# KiCad board haptic display 8x8 aisler.kicad_pcb (continued)
## Routing (per net, layer and track width the routed paths; a pad name or vN(x,y) marks a point on that pad's centre or on a via; arc(x,y) is an arc through that point) (continued)
51.19,66.73 51.4,66.57 51.58,66.4 51.74,66.2 51.88,65.98 51.99,65.75 52.07,65.51 52.12,65.26 52.14,65 52.13,64.74 52.08,64.49 52.01,64.24 51.91,64 51.78,63.77 51.62,63.56 51.44,63.37 51.24,63.21 51.01,63.07 50.78,62.96 50.52,62.87 50.26,62.82 50,62.8 49.75,62.81 49.51,62.85 49.27,62.91 49.04,63 48.82,63.12 48.61,63.26 48.42,63.42 48.25,63.61 48.1,63.81 47.98,64.03 47.88,64.26 47.8,64.5 47.76,64.75 47.74,65 47.75,65.25 47.79,65.51 47.85,65.75 47.95,65.99 48.07,66.22 48.21,66.43 48.38,66.62 48.57,66.8 48.77,66.95 49,67.08 49.24,67.18 49.48,67.26 49.74,67.31 50,67.33 50.26,67.31 50.52,67.28 50.77,67.21 51.02,67.11 51.25,66.99 51.47,66.84 51.67,66.67 51.85,66.47 52,66.26 52.13,66.03 52.24,65.78 52.32,65.53 52.37,65.27 52.39,65 52.38,64.73 52.34,64.47 52.27,64.21 52.17,63.96 52.04,63.72 51.89,63.49 51.71,63.29 51.51,63.11 51.29,62.94 51.06,62.81 50.8,62.7 50.54,62.62 50.27,62.57 50,62.55 49.74,62.56 49.49,62.6 49.24,62.66 49,62.75 48.76,62.86 48.55,63 48.34,63.16 48.15,63.34 47.99,63.54 47.84,63.75 47.72,63.98 47.62,64.23 47.55,64.48 47.51,64.74 47.49,65 47.5,65.26 47.53,65.52 47.6,65.78 47.69,66.03 47.81,66.27 47.95,66.49 48.11,66.7 48.3,66.89 48.5,67.06 48.72,67.21 48.96,67.34 49.21,67.44 49.47,67.51 49.73,67.56 50,67.58 50.27,67.57 50.54,67.53 50.8,67.46 51.05,67.37 51.3,67.25 51.53,67.1 51.74,66.94 51.94,66.75 52.11,66.54 52.27,66.31 52.39,66.07 52.5,65.81 52.57,65.55 52.62,65.28 52.64,65 52.63,64.72 52.59,64.45 52.52,64.18 52.42,63.92 52.3,63.67 52.15,63.44 51.98,63.22 51.79,63.02 51.57,62.84 51.34,62.68 51.09,62.55 50.83,62.44 50.56,62.37 50.28,62.32 50,62.3 49.73,62.31 49.47,62.34 49.21,62.41 48.96,62.49 48.72,62.6 48.49,62.74 48.27,62.89 48.07,63.07 47.89,63.26 47.72,63.48 47.58,63.71 47.46,63.95 47.37,64.2 47.3,64.46 47.25,64.73 47.24,65 47.25,65.27 47.28,65.54 47.35,65.81 47.43,66.06 47.55,66.31 47.68,66.55 47.84,66.77 48.02,66.98 48.23,67.16 48.44,67.33 48.68,67.47 48.92,67.6 49.18,67.69 49.45,67.76 49.72,67.81 50,67.83 50.28,67.82 50.55,67.78 50.82,67.71 51.09,67.62 51.34,67.51 51.58,67.37 51.81,67.2 52.02,67.02 52.21,66.81 52.38,66.59 52.53,66.35 52.65,66.1 52.75,65.83 52.82,65.56 52.87,65.28 52.89,65 52.88,64.72 52.84,64.44 52.77,64.16 52.68,63.89 52.56,63.63 52.42,63.38 52.25,63.15 52.06,62.94 51.85,62.74 51.63,62.57 51.38,62.42 51.12,62.29 50.85,62.19 50.57,62.11 50.29,62.07 50,62.05 49.73,62.06 49.46,62.09 49.19,62.15 48.93,62.24 48.68,62.34 48.44,62.47 48.21,62.63 47.99,62.8 47.8,62.99 47.62,63.2 47.46,63.43 47.32,63.67 47.2,63.92 47.11,64.18 47.05,64.45 47,64.72 46.99,65 47,65.28 47.03,65.55 47.09,65.83 47.18,66.09 47.29,66.35 47.42,66.6 47.58,66.83 47.75,67.05 47.95,67.25 48.16,67.43 48.39,67.6 48.64,67.74 48.89,67.85 49.16,67.95 49.44,68.02 49.72,68.06 50,68.08 50.28,68.07 50.57,68.03 50.84,67.97 51.12,67.88 51.38,67.77 51.63,67.63 51.87,67.47 52.09,67.29 52.3,67.09 52.48,66.88 52.65,66.64 52.79,66.39 52.91,66.13 53.01,65.86 53.08,65.58 53.12,65.29 53.14,65 53.13,64.71 53.09,64.42 53.03,64.14 52.94,63.86 52.83,63.59 52.69,63.34 52.52,63.09 52.34,62.87 52.14,62.66 51.91,62.47 51.67,62.3 51.42,62.15 51.15,62.03 50.87,61.93 50.59,61.86 50.29,61.82 50,61.8 49.72,61.81 49.44,61.84 49.17,61.9 48.9,61.98 48.64,62.08 48.39,62.21 48.15,62.36 47.93,62.53 47.72,62.72 47.52,62.92 47.35,63.14 47.19,63.38 47.06,63.63 46.95,63.89 46.86,64.16 46.79,64.43 46.75,64.72 46.74,65 46.75,65.28 46.78,65.57 46.84,65.85 46.92,66.12 47.03,66.39 47.16,66.64 47.31,66.89 47.48,67.11 47.67,67.33 47.88,67.53 48.11,67.7 48.35,67.86 48.6,68 48.87,68.11 49.14,68.2 49.42,68.27 49.71,68.31 50,68.33 50.29,68.32 50.58,68.28 50.86,68.22 51.14,68.14 51.41,68.03 51.67,67.9 51.92,67.74 52.16,67.57 52.37,67.37 52.57,67.16 52.75,66.93 52.92,66.68 53.05,66.42 53.17,66.15 53.26,65.87 53.33,65.59 53.37,65.29 53.39,65 53.38,64.7 53.34,64.41 53.28,64.12 53.2,63.84 53.09,63.56 52.95,63.3 52.79,63.04 52.62,62.8 52.42,62.58 52.2,62.38 51.96,62.19 51.71,62.03 51.45,61.89 51.18,61.77 50.89,61.68 50.6,61.61 50.3,61.57 50,61.55 49.71,61.56 49.43,61.59 49.15,61.65 48.88,61.72 48.61,61.83 48.35,61.95 48.1,62.09 47.86,62.26 47.64,62.44 47.44,62.64 47.25,62.86 47.08,63.09 46.93,63.34 46.8,63.6 46.69,63.86 46.6,64.14 46.54,64.42 46.5,64.71 46.49,65 46.5,65.29 46.53,65.58 46.59,65.86 46.67,66.14 46.77,66.42 46.89,66.68 47.04,66.93 47.21,67.17 47.39,67.4 47.6,67.61 47.82,67.8 48.06,67.97 48.31,68.13 48.57,68.26 48.84,68.37 49.12,68.46 49.41,68.52 49.71,68.56 50,68.58 50.3,68.57 50.59,68.53 50.88,68.48 51.17,68.39 51.44,68.29 51.71,68.16 51.97,68.01 52.21,67.84 52.44,67.65 52.65,67.44 52.85,67.22 53.03,66.98 53.18,66.72 53.32,66.45 53.43,66.18 53.52,65.89 53.58,65.6 53.62,65.3 53.64,65 53.63,64.7 53.59,64.4 53.54,64.1 53.45,63.81 53.35,63.53 53.22,63.26 53.06,63 52.89,62.75 52.7,62.52 52.49,62.3 52.26,62.1 52.01,61.92 51.75,61.76 51.48,61.63 51.2,61.51 50.91,61.42 50.61,61.36 50.31,61.32 50,61.3 49.71,61.31 49.42,61.34 49.13,61.39 48.85,61.47 48.58,61.57 48.31,61.69 48.06,61.83 47.81,61.99 47.58,62.17 47.36,62.36 47.16,62.57 46.98,62.8 46.81,63.05 46.66,63.3 46.54,63.57 46.43,63.84 46.35,64.12 46.29,64.41 46.25,64.71 46.24,65 46.25,65.3 46.28,65.59 46.33,65.88 46.41,66.17 46.51,66.45 46.63,66.72 46.77,66.98 46.94,67.23 47.12,67.46 47.32,67.68 47.53,67.89 47.77,68.07 48.01,68.24 48.27,68.39 48.54,68.52 48.82,68.63 49.11,68.71 49.4,68.77 49.7,68.81 50,68.83 50.3,68.82 50.6,68.78 50.9,68.73 51.19,68.65 51.47,68.55 51.75,68.42 52.01,68.28 52.26,68.11 52.5,67.93 52.73,67.73 52.93,67.51 53.12,67.27 53.3,67.02 53.45,66.76 53.58,66.48 53.69,66.2 53.77,65.91 53.83,65.61 53.87,65.3 53.89,65 53.88,64.69 53.85,64.39 53.79,64.09 53.71,63.79 53.61,63.51 53.48,63.23 53.33,62.96 53.17,62.7 52.98,62.46 52.77,62.23 52.55,62.02 52.31,61.82 52.05,61.65 51.78,61.5 51.51,61.37 51.22,61.26 50.92,61.17 50.62,61.1 50.31,61.07 50,61.05 49.7,61.06 49.41,61.09 49.12,61.14 48.83,61.21 48.55,61.31 48.28,61.43 48.01,61.56 47.76,61.72 47.52,61.89 47.29,62.08 47.08,62.29 46.88,62.51 46.7,62.75 46.54,63 46.4,63.27 46.28,63.54 46.18,63.82 46.1,64.11 46.04,64.4 46,64.7 45.99,65 46,65.3 46.03,65.6 46.08,65.89 46.15,66.19 46.25,66.47 46.37,66.75 46.51,67.02 46.67,67.27 46.84,67.52 47.04,67.75 47.25,67.97 47.48,68.17 47.72,68.35 47.97,68.51 48.24,68.66 48.52,68.78 48.8,68.88 49.1,68.96 49.39,69.02 49.7,69.06 50,69.08 50.3,69.07 50.61,69.04 50.91,68.98 51.2,68.91 51.49,68.81 51.78,68.69 52.05,68.55 52.31,68.39 52.56,68.21 52.79,68.01 53.01,67.79 53.21,67.56 53.4,67.32 53.57,67.06 53.71,66.79 53.84,66.51 53.94,66.22 54.03,65.92 54.09,65.62 54.12,65.31 54.14,65 54.13,64.69 54.1,64.38 54.04,64.08 53.97,63.78 53.87,63.48 53.74,63.2 53.6,62.92 53.44,62.66 53.26,62.4 53.05,62.17 52.84,61.94 52.6,61.74 52.35,61.55 52.09,61.38 51.81,61.23 51.53,61.1 51.23,61 50.93,60.91 50.63,60.85 50.31,60.81 50,60.8 49.7,60.81 49.4,60.84 49.11,60.89 48.81,60.96 48.53,61.05 48.25,61.16 47.98,61.3 47.72,61.45 47.47,61.62 47.23,61.8 47.01,62.01 46.8,62.23 46.61,62.46 46.43,62.71 46.28,62.97 46.14,63.24 46.02,63.52 45.92,63.8 45.84,64.1 45.79,64.39 45.75,64.7 45.74,65 45.75,65.3 45.78,65.61 45.83,65.91 45.9,66.2 45.99,66.49 46.11,66.78 46.24,67.05 46.4,67.32 46.57,67.57 46.76,67.81 46.96,68.04 47.19,68.25 47.42,68.44 47.67,68.62 47.94,68.78 48.21,68.92 48.49,69.04 48.78,69.14 49.08,69.22 49.39,69.28 49.69,69.31 50,69.33 50.31,69.32 50.62,69.29 50.92,69.23 51.22,69.16 51.52,69.07 51.8,68.95 52.08,68.81 52.35,68.66 52.61,68.48 52.85,68.29 53.08,68.08 53.29,67.85 53.49,67.61 53.67,67.36 53.83,67.09 53.98,66.82 54.1,66.53 54.2,66.23 54.28,65.93 54.34,65.62 54.37,65.31 54.39,65 54.38,64.69 54.35,64.37 54.3,64.07 54.22,63.76 54.12,63.46 54.01,63.17 53.87,62.89 53.71,62.62 53.53,62.36 53.34,62.11 53.12,61.88 52.9,61.66 52.65,61.46 52.39,61.28 52.12,61.11 51.84,60.97 51.55,60.84 51.25,60.74 50.94,60.66 50.63,60.6 50.32,60.56 50,60.55 50,60.35 v1(50.35,60) ; 50.41,48.98 50.36,48.96 50,48.6 50,48.55 49.79,48.56 49.59,48.6 49.39,48.67 49.2,48.76 49.03,48.88 48.88,49.03 48.75,49.19 48.64,49.38 48.56,49.58 48.51,49.79 48.49,50 48.5,50.22 48.54,50.43 48.61,50.64 48.71,50.83 48.84,51.01 48.99,51.17 49.16,51.31 49.35,51.42 49.56,51.5 49.78,51.55 50,51.58 50.22,51.56 50.45,51.52 50.66,51.45 50.86,51.34 51.05,51.21 51.22,51.05 51.36,50.87 51.47,50.67 51.56,50.46 51.62,50.23 51.64,50 51.63,49.77 51.58,49.54 51.51,49.31 51.4,49.1 51.26,48.91 51.09,48.74 50.91,48.59 50.7,48.47 50.48,48.38 50.24,48.32 50,48.3 49.78,48.31 49.56,48.35 49.34,48.41 49.14,48.51 48.95,48.63 48.78,48.78 48.62,48.94 48.49,49.13 48.39,49.33 48.31,49.55 48.26,49.77 48.24,50 48.25,50.23 48.29,50.46 48.36,50.68 48.46,50.89 48.58,51.09 48.73,51.27 48.9,51.43 49.1,51.56 49.31,51.67 49.53,51.75 49.76,51.8 50,51.83 50.24,51.81 50.48,51.77 50.7,51.7 50.92,51.6 51.13,51.47 51.31,51.31 51.48,51.13 51.62,50.93 51.73,50.72 51.81,50.49 51.87,50.25 51.89,50 51.88,49.75 51.83,49.51 51.76,49.27 51.65,49.05 51.52,48.84 51.36,48.64 51.17,48.47 50.96,48.33 50.74,48.21 50.5,48.13 50.25,48.07 50,48.05 49.76,48.06 49.53,48.1 49.3,48.16 49.08,48.26 48.88,48.38 48.69,48.52 48.52,48.68 48.36,48.87 48.24,49.07 48.13,49.29 48.06,49.52 48.01,49.76 47.99,50 48,50.24 48.04,50.48 48.1,50.72 48.2,50.94 48.32,51.16 48.47,51.35 48.64,51.53 48.83,51.69 49.04,51.82 49.27,51.93 49.51,52.01 49.75,52.06 50,52.08 50.25,52.06 50.5,52.02 50.74,51.95 50.97,51.85 51.19,51.73 51.4,51.57 51.58,51.4 51.74,51.2 51.88,50.98 51.99,50.75 52.07,50.51 52.12,50.26 52.14,50 52.13,49.74 52.08,49.49 52.01,49.24 51.91,49 51.78,48.77 51.62,48.56 51.44,48.37 51.24,48.21 51.01,48.07 50.78,47.96 50.52,47.87 50.26,47.82 50,47.8 49.75,47.81 49.51,47.85 49.27,47.91 49.04,48 48.82,48.12 48.61,48.26 48.42,48.42 48.25,48.61 48.1,48.81 47.98,49.03 47.88,49.26 47.8,49.5 47.76,49.75 47.74,50 47.75,50.25 47.79,50.51 47.85,50.75 47.95,50.99 48.07,51.22 48.21,51.43 48.38,51.62 48.57,51.8 48.77,51.95 49,52.08 49.24,52.18 49.48,52.26 49.74,52.31 50,52.33 50.26,52.31 50.52,52.28 50.77,52.21 51.02,52.11 51.25,51.99 51.47,51.84 51.67,51.67 51.85,51.47 52,51.26 52.13,51.03 52.24,50.78 52.32,50.53 52.37,50.27 52.39,50 52.38,49.73 52.34,49.47 52.27,49.21 52.17,48.96 52.04,48.72 51.89,48.49 51.71,48.29 51.51,48.11 51.29,47.94 51.06,47.81 50.8,47.7 50.54,47.62 50.27,47.57 50,47.55 49.74,47.56 49.49,47.6 49.24,47.66 49,47.75 48.76,47.86 48.55,48 48.34,48.16 48.15,48.34 47.99,48.54 47.84,48.75 47.72,48.98 47.62,49.23 47.55,49.48 47.51,49.74 47.49,50 47.5,50.26 47.53,50.52 47.6,50.78 47.69,51.03 47.81,51.27 47.95,51.49 48.11,51.7 48.3,51.89 48.5,52.06 48.72,52.21 48.96,52.34 49.21,52.44 49.47,52.51 49.73,52.56 50,52.58 50.27,52.57 50.54,52.53 50.8,52.46 51.05,52.37 51.3,52.25 51.53,52.1 51.74,51.94 51.94,51.75 52.11,51.54 52.27,51.31 52.39,51.07 52.5,50.81 52.57,50.55 52.62,50.28 52.64,50 52.63,49.72 52.59,49.45 52.52,49.18 52.42,48.92 52.3,48.67 52.15,48.44 51.98,48.22 51.79,48.02 51.57,47.84 51.34,47.68 51.09,47.55 50.83,47.44 50.56,47.37 50.28,47.32 50,47.3 49.73,47.31 49.47,47.34 49.21,47.41 48.96,47.49 48.72,47.6 48.49,47.74 48.27,47.89 48.07,48.07 47.89,48.26 47.72,48.48 47.58,48.71 47.46,48.95 47.37,49.2 47.3,49.46 47.25,49.73 47.24,50 47.25,50.27 47.28,50.54 47.35,50.81 47.43,51.06 47.55,51.31 47.68,51.55 47.84,51.77 48.02,51.98 48.23,52.16 48.44,52.33 48.68,52.47 48.92,52.6 49.18,52.69 49.45,52.76 49.72,52.81 50,52.83 50.28,52.82 50.55,52.78 50.82,52.71 51.09,52.62 51.34,52.51 51.58,52.37 51.81,52.2 52.02,52.02 52.21,51.81 52.38,51.59 52.53,51.35 52.65,51.1 52.75,50.83 52.82,50.56 52.87,50.28 52.89,50 52.88,49.72 52.84,49.44 52.77,49.16 52.68,48.89 52.56,48.63 52.42,48.38 52.25,48.15 52.06,47.94 51.85,47.74 51.63,47.57 51.38,47.42 51.12,47.29 50.85,47.19 50.57,47.11 50.29,47.07 50,47.05 49.73,47.06 49.46,47.09 49.19,47.15 48.93,47.24 48.68,47.34 48.44,47.47 48.21,47.63 47.99,47.8 47.8,47.99 47.62,48.2 47.46,48.43 47.32,48.67 47.2,48.92 47.11,49.18 47.05,49.45 47,49.72 46.99,50 47,50.28 47.03,50.55 47.09,50.83 47.18,51.09 47.29,51.35 47.42,51.6 47.58,51.83 47.75,52.05 47.95,52.25 48.16,52.43 48.39,52.6 48.64,52.74 48.89,52.85 49.16,52.95 49.44,53.02 49.72,53.06 50,53.08 50.28,53.07 50.57,53.03 50.84,52.97 51.12,52.88 51.38,52.77 51.63,52.63 51.87,52.47 52.09,52.29 52.3,52.09 52.48,51.88 52.65,51.64 52.79,51.39 52.91,51.13 53.01,50.86 53.08,50.58 53.12,50.29 53.14,50 53.13,49.71 53.09,49.42 53.03,49.14 52.94,48.86 52.83,48.59 52.69,48.34 52.52,48.09 52.34,47.87 52.14,47.66 51.91,47.47 51.67,47.3 51.42,47.15 51.15,47.03 50.87,46.93 50.59,46.86 50.29,46.82 50,46.8 49.72,46.81 49.44,46.84 49.17,46.9 48.9,46.98 48.64,47.08 48.39,47.21 48.15,47.36 47.93,47.53 47.72,47.72 47.52,47.92 47.35,48.14 47.19,48.38 47.06,48.63 46.95,48.89 46.86,49.16 46.79,49.43 46.75,49.72 46.74,50 46.75,50.28 46.78,50.57 46.84,50.85 46.92,51.12 47.03,51.39 47.16,51.64 47.31,51.89 47.48,52.11 47.67,52.33 47.88,52.53 48.11,52.7 48.35,52.86 48.6,53 48.87,53.11 49.14,53.2 49.42,53.27 49.71,53.31 50,53.33 50.29,53.32 50.58,53.28 50.86,53.22 51.14,53.14 51.41,53.03 51.67,52.9 51.92,52.74 52.16,52.57 52.37,52.37 52.57,52.16 52.75,51.93 52.92,51.68 53.05,51.42 53.17,51.15 53.26,50.87 53.33,50.59 53.37,50.29 53.39,50 53.38,49.7 53.34,49.41 53.28,49.12 53.2,48.84 53.09,48.56 52.95,48.3 52.79,48.04 52.62,47.8 52.42,47.58 52.2,47.38 51.96,47.19 51.71,47.03 51.45,46.89 51.18,46.77 50.89,46.68 50.6,46.61 50.3,46.57 50,46.55 49.71,46.56 49.43,46.59 49.15,46.65 48.88,46.72 48.61,46.83 48.35,46.95 48.1,47.09 47.86,47.26 47.64,47.44 47.44,47.64 47.25,47.86 47.08,48.09 46.93,48.34 46.8,48.6 46.69,48.86 46.6,49.14 46.54,49.42 46.5,49.71 46.49,50 46.5,50.29 46.53,50.58 46.59,50.86 46.67,51.14 46.77,51.42 46.89,51.68 47.04,51.93 47.21,52.17 47.39,52.4 47.6,52.61 47.82,52.8 48.06,52.97 48.31,53.13 48.57,53.26 48.84,53.37 49.12,53.46 49.41,53.52 49.71,53.56 50,53.58 50.3,53.57 50.59,53.53 50.88,53.48 51.17,53.39 51.44,53.29 51.71,53.16 51.97,53.01 52.21,52.84 52.44,52.65 52.65,52.44 52.85,52.22 53.03,51.98 53.18,51.72 53.32,51.45 53.43,51.18 53.52,50.89 53.58,50.6 53.62,50.3 53.64,50 53.63,49.7 53.59,49.4 53.54,49.1 53.45,48.81 53.35,48.53 53.22,48.26 53.06,48 52.89,47.75 52.7,47.52 52.49,47.3 52.26,47.1 52.01,46.92 51.75,46.76 51.48,46.63 51.2,46.51 50.91,46.42 50.61,46.36 50.31,46.32 50,46.3 49.71,46.31 49.42,46.34 49.13,46.39 48.85,46.47 48.58,46.57 48.31,46.69 48.06,46.83 47.81,46.99 47.58,47.17 47.36,47.36 47.16,47.57 46.98,47.8 46.81,48.05 46.66,48.3 46.54,48.57 46.43,48.84 46.35,49.12 46.29,49.41 46.25,49.71 46.24,50 46.25,50.3 46.28,50.59 46.33,50.88 46.41,51.17 46.51,51.45 46.63,51.72 46.77,51.98 46.94,52.23 47.12,52.46 47.32,52.68 47.53,52.89 47.77,53.07 48.01,53.24 48.27,53.39 48.54,53.52 48.82,53.63 49.11,53.71 49.4,53.77 49.7,53.81 50,53.83 50.3,53.82 50.6,53.78 50.9,53.73 51.19,53.65 51.47,53.55 51.75,53.42 52.01,53.28 52.26,53.11 52.5,52.93 52.73,52.73 52.93,52.51 53.12,52.27 53.3,52.02 53.45,51.76 53.58,51.48 53.69,51.2 53.77,50.91 53.83,50.61 53.87,50.3 53.89,50 53.88,49.69 53.85,49.39 53.79,49.09 53.71,48.79 53.61,48.51 53.48,48.23 53.33,47.96 53.17,47.7 52.98,47.46 52.77,47.23 52.55,47.02 52.31,46.82 52.05,46.65 51.78,46.5 51.51,46.37 51.22,46.26 50.92,46.17 50.62,46.1 50.31,46.07 50,46.05 49.7,46.06 49.41,46.09 49.12,46.14 48.83,46.21 48.55,46.31 48.28,46.43 48.01,46.56 47.76,46.72 47.52,46.89 47.29,47.08 47.08,47.29 46.88,47.51 46.7,47.75 46.54,48 46.4,48.27 46.28,48.54 46.18,48.82 46.1,49.11 46.04,49.4 46,49.7 45.99,50 46,50.3 46.03,50.6 46.08,50.89 46.15,51.19 46.25,51.47 46.37,51.75 46.51,52.02 46.67,52.27 46.84,52.52 47.04,52.75 47.25,52.97 47.48,53.17 47.72,53.35 47.97,53.51 48.24,53.66 48.52,53.78 48.8,53.88 49.1,53.96 49.39,54.02 49.7,54.06 50,54.08 50.3,54.07 50.61,54.04 50.91,53.98 51.2,53.91 51.49,53.81 51.78,53.69 52.05,53.55 52.31,53.39 52.56,53.21 52.79,53.01 53.01,52.79 53.21,52.56 53.4,52.32 53.57,52.06 53.71,51.79 53.84,51.51 53.94,51.22 54.03,50.92 54.09,50.62 54.12,50.31 54.14,50 54.13,49.69 54.1,49.38 54.04,49.08 53.97,48.78 53.87,48.48 53.74,48.2 53.6,47.92 53.44,47.66 53.26,47.4 53.05,47.17 52.84,46.94 52.6,46.74 52.35,46.55 52.09,46.38 51.81,46.23 51.53,46.1 51.23,46 50.93,45.91 50.63,45.85 50.31,45.81 50,45.8 49.7,45.81 49.4,45.84 49.11,45.89 48.81,45.96 48.53,46.05 48.25,46.16 47.98,46.3 47.72,46.45 47.47,46.62 47.23,46.8 47.01,47.01 46.8,47.23 46.61,47.46 46.43,47.71 46.28,47.97 46.14,48.24 46.02,48.52 45.92,48.8 45.84,49.1 45.79,49.39 45.75,49.7 45.74,50 45.75,50.3 45.78,50.61 45.83,50.91 45.9,51.2 45.99,51.49 46.11,51.78 46.24,52.05 46.4,52.32 46.57,52.57 46.76,52.81 46.96,53.04 47.19,53.25 47.42,53.44 47.67,53.62 47.94,53.78 48.21,53.92 48.49,54.04 48.78,54.14 49.08,54.22 49.39,54.28 49.69,54.31 50,54.33 50.31,54.32 50.62,54.29 50.92,54.23 51.22,54.16 51.52,54.07 51.8,53.95 52.08,53.81 52.35,53.66 52.61,53.48 52.85,53.29 53.08,53.08 53.29,52.85 53.49,52.61 53.67,52.36 53.83,52.09 53.98,51.82 54.1,51.53 54.2,51.23 54.28,50.93 54.34,50.62 54.37,50.31 54.39,50 54.38,49.69 54.35,49.37 54.3,49.07 54.22,48.76 54.12,48.46 54.01,48.17 53.87,47.89 53.71,47.62 53.53,47.36 53.34,47.11 53.12,46.88 52.9,46.66 52.65,46.46 52.39,46.28 52.12,46.11 51.84,45.97 51.55,45.84 51.25,45.74 50.94,45.66 50.63,45.6 50.32,45.56 50,45.55 50,45.35 v1(50.35,45) ; 50.41,33.98 50.36,33.96 50,33.6 50,33.55 49.79,33.56 49.59,33.6 49.39,33.67 49.2,33.76 49.03,33.88 48.88,34.03 48.75,34.19 48.64,34.38 48.56,34.58 48.51,34.79 48.49,35 48.5,35.22 48.54,35.43 48.61,35.64 48.71,35.83 48.84,36.01 48.99,36.17 49.16,36.31 49.35,36.42 49.56,36.5 49.78,36.55 50,36.57 50.22,36.56 50.45,36.52 50.66,36.45 50.86,36.34 51.05,36.21 51.22,36.05 51.36,35.87 51.47,35.67 51.56,35.46 51.62,35.23 51.64,35 51.63,34.77 51.58,34.54 51.51,34.31 51.4,34.1 51.26,33.91 51.09,33.74 50.91,33.59 50.7,33.47 50.48,33.38 50.24,33.32 50,33.3 49.78,33.31 49.56,33.35 49.34,33.41 49.14,33.51 48.95,33.63 48.78,33.78 48.62,33.94 48.49,34.13 48.39,34.33 48.31,34.55 48.26,34.77 48.24,35 48.25,35.23 48.29,35.46 48.36,35.68 48.46,35.89 48.58,36.09 48.73,36.27 48.9,36.43 49.1,36.56 49.31,36.67 49.53,36.75 49.76,36.8 50,36.82 50.24,36.81 50.48,36.77 50.7,36.7 50.92,36.6 51.13,36.47 51.31,36.31 51.48,36.13 51.62,35.93 51.73,35.72 51.81,35.49 51.87,35.25 51.89,35 51.88,34.75 51.83,34.51 51.76,34.27 51.65,34.05 51.52,33.84 51.36,33.64 51.17,33.47 50.96,33.33 50.74,33.21 50.5,33.13 50.25,33.07 50,33.05 49.76,33.06 49.53,33.1 49.3,33.16 49.08,33.26 48.88,33.38 48.69,33.52 48.52,33.68 48.36,33.87 48.24,34.07 48.13,34.29 48.06,34.52 48.01,34.76 47.99,35 48,35.24 48.04,35.48 48.1,35.72 48.2,35.94 48.32,36.16 48.47,36.35 48.64,36.53 48.83,36.69 49.04,36.82 49.27,36.93 49.51,37.01 49.75,37.06 50,37.07 50.25,37.06 50.5,37.02 50.74,36.95 50.97,36.85 51.19,36.73 51.4,36.57 51.58,36.4 51.74,36.2 51.88,35.98 51.99,35.75 52.07,35.51 52.12,35.26 52.14,35 52.13,34.74 52.08,34.49 52.01,34.24 51.91,34 51.78,33.77 51.62,33.56 51.44,33.37 51.24,33.21 51.01,33.07 50.78,32.96 50.52,32.87 50.26,32.82 50,32.8 49.75,32.81 49.51,32.85 49.27,32.91 49.04,33 48.82,33.12 48.61,33.26 48.42,33.42 48.25,33.61 48.1,33.81 47.98,34.03 47.88,34.26 47.8,34.5 47.76,34.75 47.74,35 47.75,35.25 47.79,35.51 47.85,35.75 47.95,35.99 48.07,36.22 48.21,36.43 48.38,36.62 48.57,36.8 48.77,36.95 49,37.08 49.24,37.18 49.48,37.26 49.74,37.31 50,37.32 50.26,37.31 50.52,37.28 50.77,37.21 51.02,37.11 51.25,36.99 51.47,36.84 51.67,36.67 51.85,36.47 52,36.26 52.13,36.03 52.24,35.78 52.32,35.53 52.37,35.27 52.39,35 52.38,34.73 52.34,34.47 52.27,34.21 52.17,33.96 52.04,33.72 51.89,33.49 51.71,33.29 51.51,33.11 51.29,32.94 51.06,32.81 50.8,32.7 50.54,32.62 50.27,32.57 50,32.55 49.74,32.56 49.49,32.6 49.24,32.66 49,32.75 48.76,32.86 48.55,33 48.34,33.16 48.15,33.34 47.99,33.54 47.84,33.75 47.72,33.98 47.62,34.23 47.55,34.48 47.51,34.74 47.49,35 47.5,35.26 47.53,35.52 47.6,35.78 47.69,36.03 47.81,36.27 47.95,36.49 48.11,36.7 48.3,36.89 48.5,37.06 48.72,37.21 48.96,37.34 49.21,37.44 49.47,37.51 49.73,37.56 50,37.57 50.27,37.57 50.54,37.53 50.8,37.46 51.05,37.37 51.3,37.25 51.53,37.1 51.74,36.94 51.94,36.75 52.11,36.54 52.27,36.31 52.39,36.07 52.5,35.81 52.57,35.55 52.62,35.28 52.64,35 52.63,34.72 52.59,34.45 52.52,34.18 52.42,33.92 52.3,33.67 52.15,33.44 51.98,33.22 51.79,33.02 51.57,32.84 51.34,32.68 51.09,32.55 50.83,32.44 50.56,32.37 50.28,32.32 50,32.3 49.73,32.31 49.47,32.34 49.21,32.41 48.96,32.49 48.72,32.6 48.49,32.74 48.27,32.89 48.07,33.07 47.89,33.26 47.72,33.48 47.58,33.71 47.46,33.95 47.37,34.2 47.3,34.46 47.25,34.73 47.24,35 47.25,35.27 47.28,35.54 47.35,35.81 47.43,36.06 47.55,36.31 47.68,36.55 47.84,36.77 48.02,36.98 48.23,37.16 48.44,37.33 48.68,37.47 48.92,37.6 49.18,37.69 49.45,37.76 49.72,37.81 50,37.82 50.28,37.82 50.55,37.78 50.82,37.71 51.09,37.62 51.34,37.51 51.58,37.37 51.81,37.2 52.02,37.02 52.21,36.81 52.38,36.59 52.53,36.35 52.65,36.1 52.75,35.83 52.82,35.56 52.87,35.28 52.89,35 52.88,34.72 52.84,34.44 52.77,34.16 52.68,33.89 52.56,33.63 52.42,33.38 52.25,33.15 52.06,32.94 51.85,32.74 51.63,32.57 51.38,32.42 51.12,32.29 50.85,32.19 50.57,32.11 50.29,32.07 50,32.05 49.73,32.06 49.46,32.09 49.19,32.15 48.93,32.24 48.68,32.34 48.44,32.47 48.21,32.63 47.99,32.8 47.8,32.99 47.62,33.2 47.46,33.43 47.32,33.67 47.2,33.92 47.11,34.18 47.05,34.45 47,34.72 46.99,35 47,35.28 47.03,35.55 47.09,35.83 47.18,36.09 47.29,36.35 47.42,36.6 47.58,36.83 47.75,37.05 47.95,37.25 48.16,37.43 48.39,37.6 48.64,37.74 48.89,37.85 49.16,37.95 49.44,38.02 49.72,38.06 50,38.07 50.28,38.07 50.57,38.03 50.84,37.97 51.12,37.88 51.38,37.77 51.63,37.63 51.87,37.47 52.09,37.29 52.3,37.09 52.48,36.88 52.65,36.64 52.79,36.39 52.91,36.13 53.01,35.86 53.08,35.58 53.12,35.29 53.14,35 53.13,34.71 53.09,34.42 53.03,34.14 52.94,33.86 52.83,33.59 52.69,33.34 52.52,33.09 52.34,32.87 52.14,32.66 51.91,32.47 51.67,32.3 51.42,32.15 51.15,32.03 50.87,31.93 50.59,31.86 50.29,31.82 50,31.8 49.72,31.81 49.44,31.84 49.17,31.9 48.9,31.98 48.64,32.08 48.39,32.21 48.15,32.36 47.93,32.53 47.72,32.72 47.52,32.92 47.35,33.14 47.19,33.38 47.06,33.63 46.95,33.89 46.86,34.16 46.79,34.43 46.75,34.72 46.74,35 46.75,35.28 46.78,35.57 46.84,35.85 46.92,36.12 47.03,36.39 47.16,36.64 47.31,36.89 47.48,37.11 47.67,37.33 47.88,37.53 48.11,37.7 48.35,37.86 48.6,38 48.87,38.11 49.14,38.2 49.42,38.27 49.71,38.31 50,38.32 50.29,38.32 50.58,38.28 50.86,38.22 51.14,38.14 51.41,38.03 51.67,37.9 51.92,37.74 52.16,37.57 52.37,37.37 52.57,37.16 52.75,36.93 52.92,36.68 53.05,36.42 53.17,36.15 53.26,35.87 53.33,35.59 53.37,35.29 53.39,35 53.38,34.7 53.34,34.41 53.28,34.12 53.2,33.84 53.09,33.56 52.95,33.3 52.79,33.04 52.62,32.8 52.42,32.58 52.2,32.38 51.96,32.19 51.71,32.03 51.45,31.89 51.18,31.77 50.89,31.68 50.6,31.61 50.3,31.57 50,31.55 49.71,31.56 49.43,31.59 49.15,31.65 48.88,31.72 48.61,31.83 48.35,31.95 48.1,32.09 47.86,32.26 47.64,32.44 47.44,32.64 47.25,32.86 47.08,33.09 46.93,33.34 46.8,33.6 46.69,33.86 46.6,34.14 46.54,34.42 46.5,34.71 46.49,35 46.5,35.29 46.53,35.58 46.59,35.86 46.67,36.14 46.77,36.42 46.89,36.68 47.04,36.93 47.21,37.17 47.39,37.4 47.6,37.61 47.82,37.8 48.06,37.97 48.31,38.13 48.57,38.26 48.84,38.37 49.12,38.46 49.41,38.52 49.71,38.56 50,38.57 50.3,38.57 50.59,38.53 50.88,38.48 51.17,38.39 51.44,38.29 51.71,38.16 51.97,38.01 52.21,37.84 52.44,37.65 52.65,37.44 52.85,37.22 53.03,36.98 53.18,36.72 53.32,36.45 53.43,36.18 53.52,35.89 53.58,35.6 53.62,35.3 53.64,35 53.63,34.7 53.59,34.4 53.54,34.1 53.45,33.81 53.35,33.53 53.22,33.26 53.06,33 52.89,32.75 52.7,32.52 52.49,32.3 52.26,32.1 52.01,31.92 51.75,31.76 51.48,31.63 51.2,31.51 50.91,31.42 50.61,31.36 50.31,31.32 50,31.3 49.71,31.31 49.42,31.34 49.13,31.39 48.85,31.47 48.58,31.57 48.31,31.69 48.06,31.83 47.81,31.99 47.58,32.17 47.36,32.36 47.16,32.57 46.98,32.8 46.81,33.05 46.66,33.3 46.54,33.57 46.43,33.84 46.35,34.12 46.29,34.41 46.25,34.71 46.24,35 46.25,35.3 46.28,35.59 46.33,35.88 46.41,36.17 46.51,36.45 46.63,36.72 46.77,36.98 46.94,37.23 47.12,37.46 47.32,37.68 47.53,37.89 47.77,38.07 48.01,38.24 48.27,38.39 48.54,38.52 48.82,38.63 49.11,38.71 49.4,38.77 49.7,38.81 50,38.82 50.3,38.82 50.6,38.78 50.9,38.73 51.19,38.65 51.47,38.55 51.75,38.42 52.01,38.28 52.26,38.11 52.5,37.93 52.73,37.73 52.93,37.51 53.12,37.27 53.3,37.02 53.45,36.76 53.58,36.48 53.69,36.2 53.77,35.91 53.83,35.61 53.87,35.3 53.89,35 53.88,34.69 53.85,34.39 53.79,34.09 53.71,33.79 53.61,33.51 53.48,33.23 53.33,32.96 53.17,32.7 52.98,32.46 52.77,32.23 52.55,32.02 52.31,31.82 52.05,31.65 51.78,31.5 51.51,31.37 51.22,31.26 50.92,31.17 50.62,31.1 50.31,31.07 50,31.05 49.7,31.06 49.41,31.09 49.12,31.14 48.83,31.21 48.55,31.31 48.28,31.43 48.01,31.56 47.76,31.72 47.52,31.89 47.29,32.08 47.08,32.29 46.88,32.51 46.7,32.75 46.54,33 46.4,33.27 46.28,33.54 46.18,33.82 46.1,34.11 46.04,34.4 46,34.7 45.99,35 46,35.3 46.03,35.6 46.08,35.89 46.15,36.19 46.25,36.47 46.37,36.75 46.51,37.02 46.67,37.27 46.84,37.52 47.04,37.75 47.25,37.97 47.48,38.17 47.72,38.35 47.97,38.51 48.24,38.66 48.52,38.78 48.8,38.88 49.1,38.96 49.39,39.02 49.7,39.06 50,39.07 50.3,39.07 50.61,39.04 50.91,38.98 51.2,38.91 51.49,38.81 51.78,38.69 52.05,38.55 52.31,38.39 52.56,38.21 52.79,38.01 53.01,37.79 53.21,37.56 53.4,37.32 53.57,37.06 53.71,36.79 53.84,36.51 53.94,36.22 54.03,35.92 54.09,35.62 54.12,35.31 54.14,35 54.13,34.69 54.1,34.38 54.04,34.08 53.97,33.78 53.87,33.48 53.74,33.2 53.6,32.92 53.44,32.66 53.26,32.4 53.05,32.17 52.84,31.94 52.6,31.74 52.35,31.55 52.09,31.38 51.81,31.23 51.53,31.1 51.23,31 50.93,30.91 50.63,30.85 50.31,30.81 50,30.8 49.7,30.81 49.4,30.84 49.11,30.89 48.81,30.96 48.53,31.05 48.25,31.16 47.98,31.3 47.72,31.45 47.47,31.62 47.23,31.8 47.01,32.01 46.8,32.23 46.61,32.46 46.43,32.71 46.28,32.97 46.14,33.24 46.02,33.52 45.92,33.8 45.84,34.1 45.79,34.39 45.75,34.7 45.74,35 45.75,35.3 45.78,35.61 45.83,35.91 45.9,36.2 45.99,36.49 46.11,36.78 46.24,37.05 46.4,37.32 46.57,37.57 46.76,37.81 46.96,38.04 47.19,38.25 47.42,38.44 47.67,38.62 47.94,38.78 48.21,38.92 48.49,39.04 48.78,39.14 49.08,39.22 49.39,39.28 49.69,39.31 50,39.32 50.31,39.32 50.62,39.29 50.92,39.23 51.22,39.16 51.52,39.07 51.8,38.95 52.08,38.81 52.35,38.66 52.61,38.48 52.85,38.29 53.08,38.08 53.29,37.85 53.49,37.61 53.67,37.36 53.83,37.09 53.98,36.82 54.1,36.53 54.2,36.23 54.28,35.93 54.34,35.62 54.37,35.31 54.39,35 54.38,34.69 54.35,34.37 54.3,34.07 54.22,33.76 54.12,33.46 54.01,33.17 53.87,32.89 53.71,32.62 53.53,32.36 53.34,32.11 53.12,31.88 52.9,31.66 52.65,31.46 52.39,31.28 52.12,31.11 51.84,30.97 51.55,30.84 51.25,30.74 50.94,30.66 50.63,30.6 50.32,30.56 50,30.55 50,30.35 v1(50.35,30) ; 50.41,18.98 50.36,18.96 50,18.6 50,18.55 49.79,18.56 49.59,18.6 49.39,18.67 49.2,18.76 49.03,18.88 48.88,19.03 48.75,19.19 48.64,19.38 48.56,19.58 48.51,19.79 48.49,20 48.5,20.22 48.54,20.43 48.61,20.64 48.71,20.83 48.84,21.01 48.99,21.17 49.16,21.31 49.35,21.42 49.56,21.5 49.78,21.55 50,21.57 50.22,21.56 50.45,21.52 50.66,21.45 50.86,21.34 51.05,21.21 51.22,21.05 51.36,20.87 51.47,20.67 51.56,20.46 51.62,20.23 51.64,20 51.63,19.77 51.58,19.54 51.51,19.31 51.4,19.1 51.26,18.91 51.09,18.74 50.91,18.59 50.7,18.47 50.48,18.38 50.24,18.32 50,18.3 49.78,18.31 49.56,18.35 49.34,18.41 49.14,18.51 48.95,18.63 48.78,18.78 48.62,18.94 48.49,19.13 48.39,19.33 48.31,19.55 48.26,19.77 48.24,20 48.25,20.23 48.29,20.46 48.36,20.68 48.46,20.89 48.58,21.09 48.73,21.27 48.9,21.43 49.1,21.56 49.31,21.67 49.53,21.75 49.76,21.8 50,21.82 50.24,21.81 50.48,21.77 50.7,21.7 50.92,21.6 51.13,21.47 51.31,21.31 51.48,21.13 51.62,20.93 51.73,20.72 51.81,20.49 51.87,20.25 51.89,20 51.88,19.75 51.83,19.51 51.76,19.27 51.65,19.05 51.52,18.84 51.36,18.64 51.17,18.47 50.96,18.33 50.74,18.21 50.5,18.13 50.25,18.07 50,18.05 49.76,18.06 49.53,18.1 49.3,18.16 49.08,18.26 48.88,18.38 48.69,18.52 48.52,18.68 48.36,18.87 48.24,19.07 48.13,19.29 48.06,19.52 48.01,19.76 47.99,20 48,20.24 48.04,20.48 48.1,20.72 48.2,20.94 48.32,21.16 48.47,21.35 48.64,21.53 48.83,21.69 49.04,21.82 49.27,21.93 49.51,22.01 49.75,22.06 50,22.07 50.25,22.06 50.5,22.02 50.74,21.95 50.97,21.85 51.19,21.73 51.4,21.57 51.58,21.4 51.74,21.2 51.88,20.98 51.99,20.75 52.07,20.51 52.12,20.26 52.14,20 52.13,19.74 52.08,19.49 52.01,19.24 51.91,19 51.78,18.77 51.62,18.56 51.44,18.37 51.24,18.21 51.01,18.07 50.78,17.96 50.52,17.87 50.26,17.82 50,17.8 49.75,17.81 49.51,17.85 49.27,17.91 49.04,18 48.82,18.12 48.61,18.26 48.42,18.42 48.25,18.61 48.1,18.81 47.98,19.03 47.88,19.26 47.8,19.5 47.76,19.75 47.74,20 47.75,20.25 47.79,20.51 47.85,20.75 47.95,20.99 48.07,21.22 48.21,21.43 48.38,21.62 48.57,21.8 48.77,21.95 49,22.08 49.24,22.18 49.48,22.26 49.74,22.31 50,22.32 50.26,22.31 50.52,22.28 50.77,22.21 51.02,22.11 51.25,21.99 51.47,21.84 51.67,21.67 51.85,21.47 52,21.26 52.13,21.03 52.24,20.78 52.32,20.53 52.37,20.27 52.39,20 52.38,19.73 52.34,19.47 52.27,19.21 52.17,18.96 52.04,18.72 51.89,18.49 51.71,18.29 51.51,18.11 51.29,17.94 51.06,17.81 50.8,17.7 50.54,17.62 50.27,17.57 50,17.55 49.74,17.56 49.49,17.6 49.24,17.66 49,17.75 48.76,17.86 48.55,18 48.34,18.16 48.15,18.34 47.99,18.54 47.84,18.75 47.72,18.98 47.62,19.23 47.55,19.48 47.51,19.74 47.49,20 47.5,20.26 47.53,20.52 47.6,20.78 47.69,21.03 47.81,21.27 47.95,21.49 48.11,21.7 48.3,21.89 48.5,22.06 48.72,22.21 48.96,22.34 49.21,22.44 49.47,22.51 49.73,22.56 50,22.57 50.27,22.57 50.54,22.53 50.8,22.46 51.05,22.37 51.3,22.25 51.53,22.1 51.74,21.94 51.94,21.75 52.11,21.54 52.27,21.31 52.39,21.07 52.5,20.81 52.57,20.55 52.62,20.28 52.64,20 52.63,19.72 52.59,19.45 52.52,19.18 52.42,18.92 52.3,18.67 52.15,18.44 51.98,18.22 51.79,18.02 51.57,17.84 51.34,17.68 51.09,17.55 50.83,17.44 50.56,17.37 50.28,17.32 50,17.3 49.73,17.31 49.47,17.34 49.21,17.41 48.96,17.49 48.72,17.6 48.49,17.74 48.27,17.89 48.07,18.07 47.89,18.26 47.72,18.48 47.58,18.71 47.46,18.95 47.37,19.2 47.3,19.46 47.25,19.73 47.24,20 47.25,20.27 47.28,20.54 47.35,20.81 47.43,21.06 47.55,21.31 47.68,21.55 47.84,21.77 48.02,21.98 48.23,22.16 48.44,22.33 48.68,22.47 48.92,22.6 49.18,22.69 49.45,22.76 49.72,22.81 50,22.82 50.28,22.82 50.55,22.78 50.82,22.71 51.09,22.62 51.34,22.51 51.58,22.37 51.81,22.2 52.02,22.02 52.21,21.81 52.38,21.59 52.53,21.35 52.65,21.1 52.75,20.83 52.82,20.56 52.87,20.28 52.89,20 52.88,19.72 52.84,19.44 52.77,19.16 52.68,18.89 52.56,18.63 52.42,18.38 52.25,18.15 52.06,17.94 51.85,17.74 51.63,17.57 51.38,17.42 51.12,17.29 50.85,17.19 50.57,17.11 50.29,17.07 50,17.05 49.73,17.06 49.46,17.09 49.19,17.15 48.93,17.24 48.68,17.34 48.44,17.47 48.21,17.63 47.99,17.8 47.8,17.99 47.62,18.2 47.46,18.43 47.32,18.67 47.2,18.92 47.11,19.18 47.05,19.45 47,19.72 46.99,20 47,20.28 47.03,20.55 47.09,20.83 47.18,21.09 47.29,21.35 47.42,21.6 47.58,21.83 47.75,22.05 47.95,22.25 48.16,22.43 48.39,22.6 48.64,22.74 48.89,22.85 49.16,22.95 49.44,23.02 49.72,23.06 50,23.07 50.28,23.07 50.57,23.03 50.84,22.97 51.12,22.88 51.38,22.77 51.63,22.63 51.87,22.47 52.09,22.29 52.3,22.09 52.48,21.88 52.65,21.64 52.79,21.39 52.91,21.13 53.01,20.86 53.08,20.58 53.12,20.29 53.14,20 53.13,19.71 53.09,19.42 53.03,19.14 52.94,18.86 52.83,18.59 52.69,18.34 52.52,18.09 52.34,17.87 52.14,17.66 51.91,17.47 51.67,17.3 51.42,17.15 51.15,17.03 50.87,16.93 50.59,16.86 50.29,16.82 50,16.8 49.72,16.81 49.44,16.84 49.17,16.9 48.9,16.98 48.64,17.08 48.39,17.21 48.15,17.36 47.93,17.53 47.72,17.72 47.52,17.92 47.35,18.14 47.19,18.38 47.06,18.63 46.95,18.89 46.86,19.16 46.79,19.43 46.75,19.72 46.74,20 46.75,20.28 46.78,20.57 46.84,20.85 46.92,21.12 47.03,21.39 47.16,21.64 47.31,21.89 47.48,22.11 47.67,22.33 47.88,22.53 48.11,22.7 48.35,22.86 48.6,23 48.87,23.11 49.14,23.2 49.42,23.27 49.71,23.31 50,23.32 50.29,23.32 50.58,23.28 50.86,23.22 51.14,23.14 51.41,23.03 51.67,22.9 51.92,22.74 52.16,22.57 52.37,22.37 52.57,22.16 52.75,21.93 52.92,21.68 53.05,21.42 53.17,21.15 53.26,20.87 53.33,20.59 53.37,20.29 53.39,20 53.38,19.7 53.34,19.41 53.28,19.12 53.2,18.84 53.09,18.56 52.95,18.3 52.79,18.04 52.62,17.8 52.42,17.58 52.2,17.38 51.96,17.19 51.71,17.03 51.45,16.89 51.18,16.77 50.89,16.68 50.6,16.61 50.3,16.57 50,16.55 49.71,16.56 49.43,16.59 49.15,16.65 48.88,16.72 48.61,16.83 48.35,16.95 48.1,17.09 47.86,17.26 47.64,17.44 47.44,17.64 47.25,17.86 47.08,18.09 46.93,18.34 46.8,18.6 46.69,18.86 46.6,19.14 46.54,19.42 46.5,19.71 46.49,20 46.5,20.29 46.53,20.58 46.59,20.86 46.67,21.14 46.77,21.42 46.89,21.68 47.04,21.93 47.21,22.17 47.39,22.4 47.6,22.61 47.82,22.8 48.06,22.97 48.31,23.13 48.57,23.26 48.84,23.37 49.12,23.46 49.41,23.52 49.71,23.56 50,23.57 50.3,23.57 50.59,23.53 50.88,23.48 51.17,23.39 51.44,23.29 51.71,23.16 51.97,23.01 52.21,22.84 52.44,22.65 52.65,22.44 52.85,22.22 53.03,21.98 53.18,21.72 53.32,21.45 53.43,21.18 53.52,20.89 53.58,20.6 53.62,20.3 53.64,20 53.63,19.7 53.59,19.4 53.54,19.1 53.45,18.81 53.35,18.53 53.22,18.26 53.06,18 52.89,17.75 52.7,17.52 52.49,17.3 52.26,17.1 52.01,16.92 51.75,16.76 51.48,16.63 51.2,16.51 50.91,16.42 50.61,16.36 50.31,16.32 50,16.3 49.71,16.31 49.42,16.34 49.13,16.39 48.85,16.47 48.58,16.57 48.31,16.69 48.06,16.83 47.81,16.99 47.58,17.17 47.36,17.36 47.16,17.57 46.98,17.8 46.81,18.05 46.66,18.3 46.54,18.57 46.43,18.84 46.35,19.12 46.29,19.41 46.25,19.71 46.24,20 46.25,20.3 46.28,20.59 46.33,20.88 46.41,21.17 46.51,21.45 46.63,21.72 46.77,21.98 46.94,22.23 47.12,22.46 47.32,22.68 47.53,22.89 47.77,23.07 48.01,23.24 48.27,23.39 48.54,23.52 48.82,23.63 49.11,23.71 49.4,23.77 49.7,23.81 50,23.82 50.3,23.82 50.6,23.78 50.9,23.73 51.19,23.65 51.47,23.55 51.75,23.42 52.01,23.28 52.26,23.11 52.5,22.93 52.73,22.73 52.93,22.51 53.12,22.27 53.3,22.02 53.45,21.76 53.58,21.48 53.69,21.2 53.77,20.91 53.83,20.61 53.87,20.3 53.89,20 53.88,19.69 53.85,19.39 53.79,19.09 53.71,18.79 53.61,18.51 53.48,18.23 53.33,17.96 53.17,17.7 52.98,17.46 52.77,17.23 52.55,17.02 52.31,16.82 52.05,16.65 51.78,16.5 51.51,16.37 51.22,16.26 50.92,16.17 50.62,16.1 50.31,16.07 50,16.05 49.7,16.06 49.41,16.09 49.12,16.14 48.83,16.21 48.55,16.31 48.28,16.43 48.01,16.56 47.76,16.72 47.52,16.89 47.29,17.08 47.08,17.29 46.88,17.51 46.7,17.75 46.54,18 46.4,18.27 46.28,18.54 46.18,18.82 46.1,19.11 46.04,19.4 46,19.7 45.99,20 46,20.3 46.03,20.6 46.08,20.89 46.15,21.19 46.25,21.47 46.37,21.75 46.51,22.02 46.67,22.27 46.84,22.52 47.04,22.75 47.25,22.97 47.48,23.17 47.72,23.35 47.97,23.51 48.24,23.66 48.52,23.78 48.8,23.88 49.1,23.96 49.39,24.02 49.7,24.06 50,24.07 50.3,24.07 50.61,24.04 50.91,23.98 51.2,23.91 51.49,23.81 51.78,23.69 52.05,23.55 52.31,23.39 52.56,23.21 52.79,23.01 53.01,22.79 53.21,22.56 53.4,22.32 53.57,22.06 53.71,21.79 53.84,21.51 53.94,21.22 54.03,20.92 54.09,20.62 54.12,20.31 54.14,20 54.13,19.69 54.1,19.38 54.04,19.08 53.97,18.78 53.87,18.48 53.74,18.2 53.6,17.92 53.44,17.66 53.26,17.4 53.05,17.17 52.84,16.94 52.6,16.74 52.35,16.55 52.09,16.38 51.81,16.23 51.53,16.1 51.23,16 50.93,15.91 50.63,15.85 50.31,15.81 50,15.8 49.7,15.81 49.4,15.84 49.11,15.89 48.81,15.96 48.53,16.05 48.25,16.16 47.98,16.3 47.72,16.45 47.47,16.62 47.23,16.8 47.01,17.01 46.8,17.23 46.61,17.46 46.43,17.71 46.28,17.97 46.14,18.24 46.02,18.52 45.92,18.8 45.84,19.1 45.79,19.39 45.75,19.7 45.74,20 45.75,20.3 45.78,20.61 45.83,20.91 45.9,21.2 45.99,21.49 46.11,21.78 46.24,22.05 46.4,22.32 46.57,22.57 46.76,22.81 46.96,23.04 47.19,23.25 47.42,23.44 47.67,23.62 47.94,23.78 48.21,23.92 48.49,24.04 48.78,24.14 49.08,24.22 49.39,24.28 49.69,24.31 50,24.32 50.31,24.32 50.62,24.29 50.92,24.23 51.22,24.16 51.52,24.07 51.8,23.95 52.08,23.81 52.35,23.66 52.61,23.48 52.85,23.29 53.08,23.08 53.29,22.85 53.49,22.61 53.67,22.36 53.83,22.09 53.98,21.82 54.1,21.53 54.2,21.23 54.28,20.93 54.34,20.62 54.37,20.31 54.39,20 54.38,19.69 54.35,19.37 54.3,19.07 54.22,18.76 54.12,18.46 54.01,18.17 53.87,17.89 53.71,17.62 53.53,17.36 53.34,17.11 53.12,16.88 52.9,16.66 52.65,16.46 52.39,16.28 52.12,16.11 51.84,15.97 51.55,15.84 51.25,15.74 50.94,15.66 50.63,15.6 50.32,15.56 50,15.55 50,15.35 v1(50.35,15)